# Altium PCB PCB_Kur (2).PcbDoc
Units mil, origin at the board's own origin, x right, y up, seen from the top; angles counter-clockwise.
Board outline 2362.2 x 1574.8 mil, 2 copper layers (Top Layer, Bottom Layer); 35 components, 22 nets, 155 pads, 34 vias.
Unrouted connection lines stored in the file: 34.
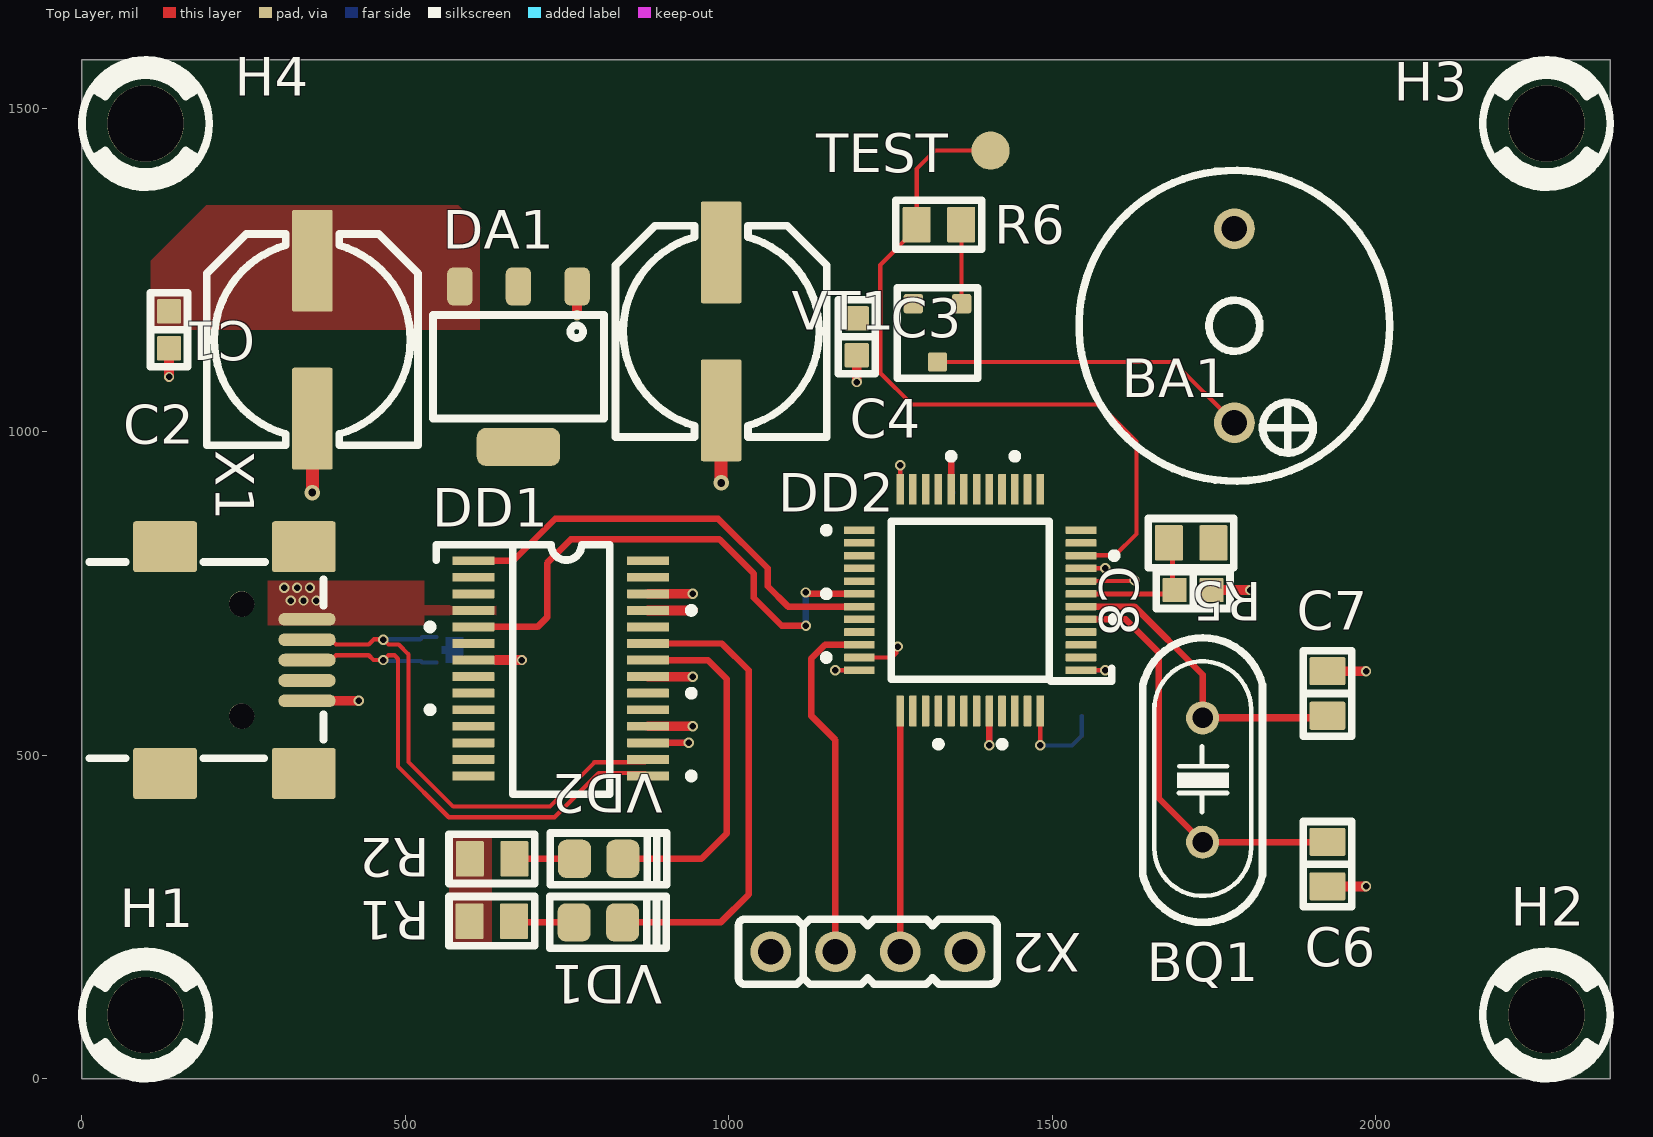
[diagram p0: Top Layer view]
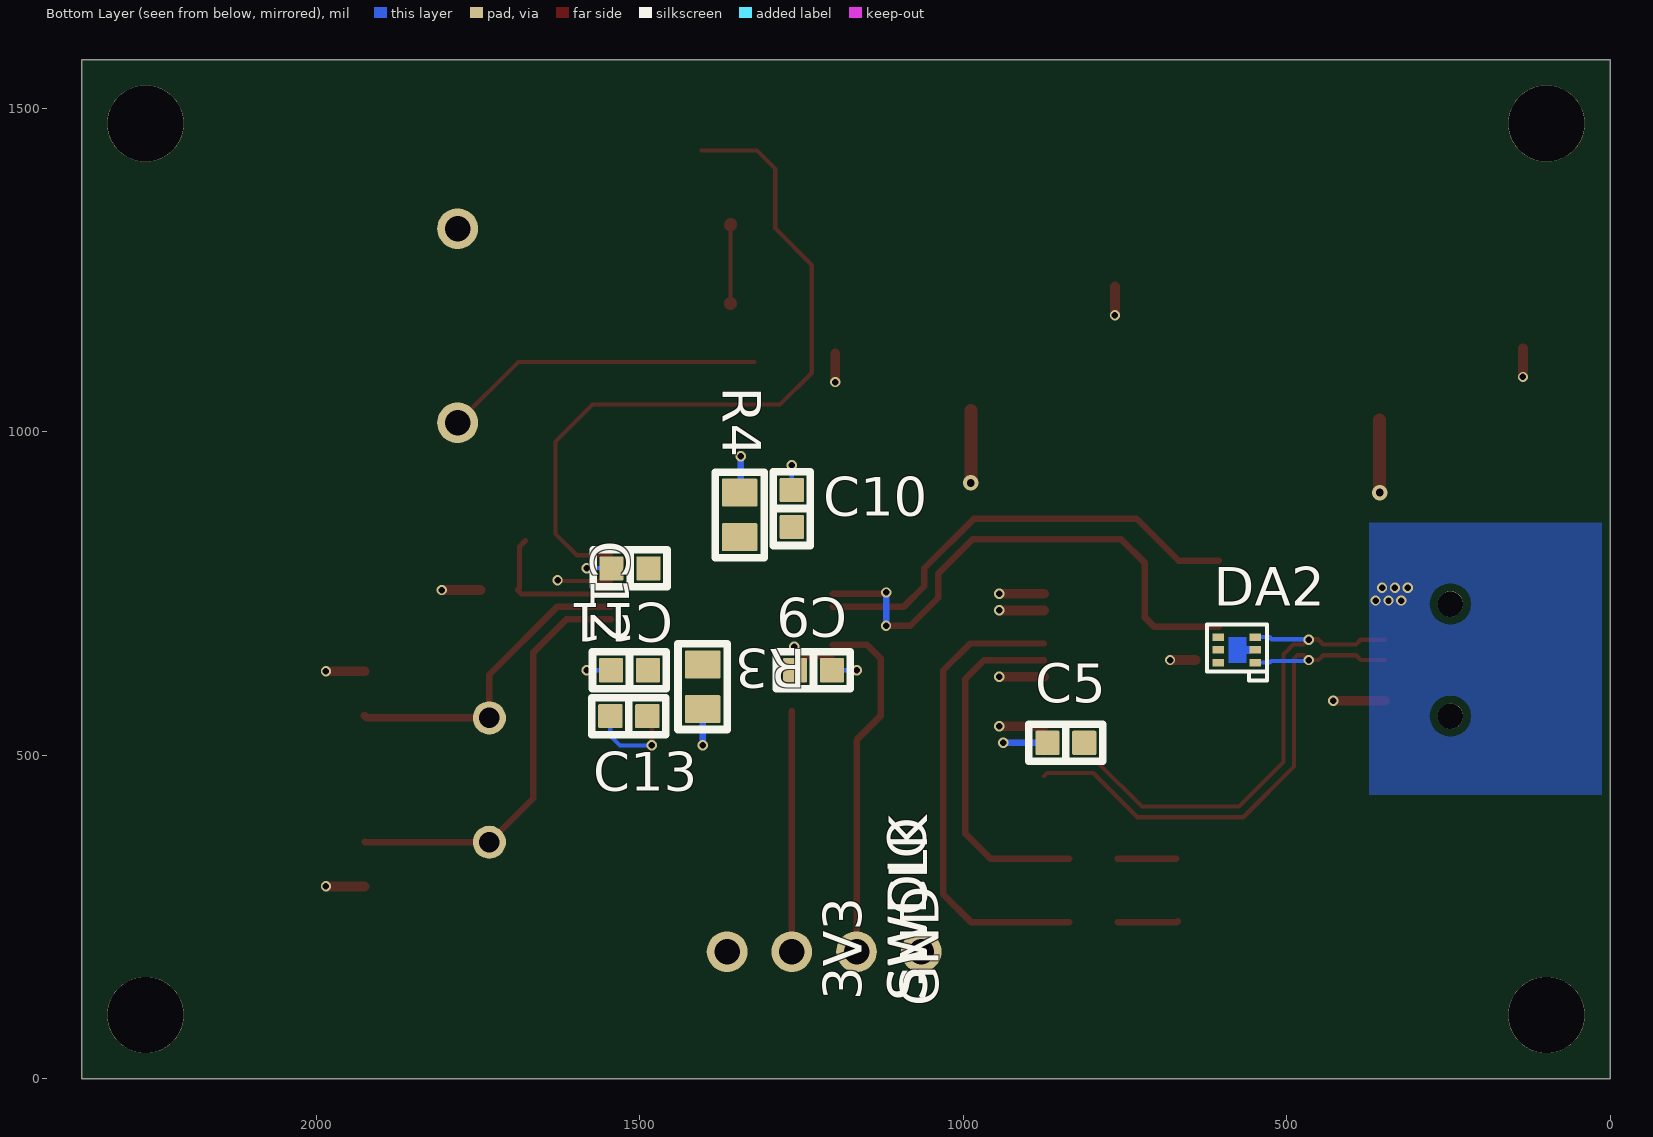
[diagram p1: Bottom Layer view, seen from below]
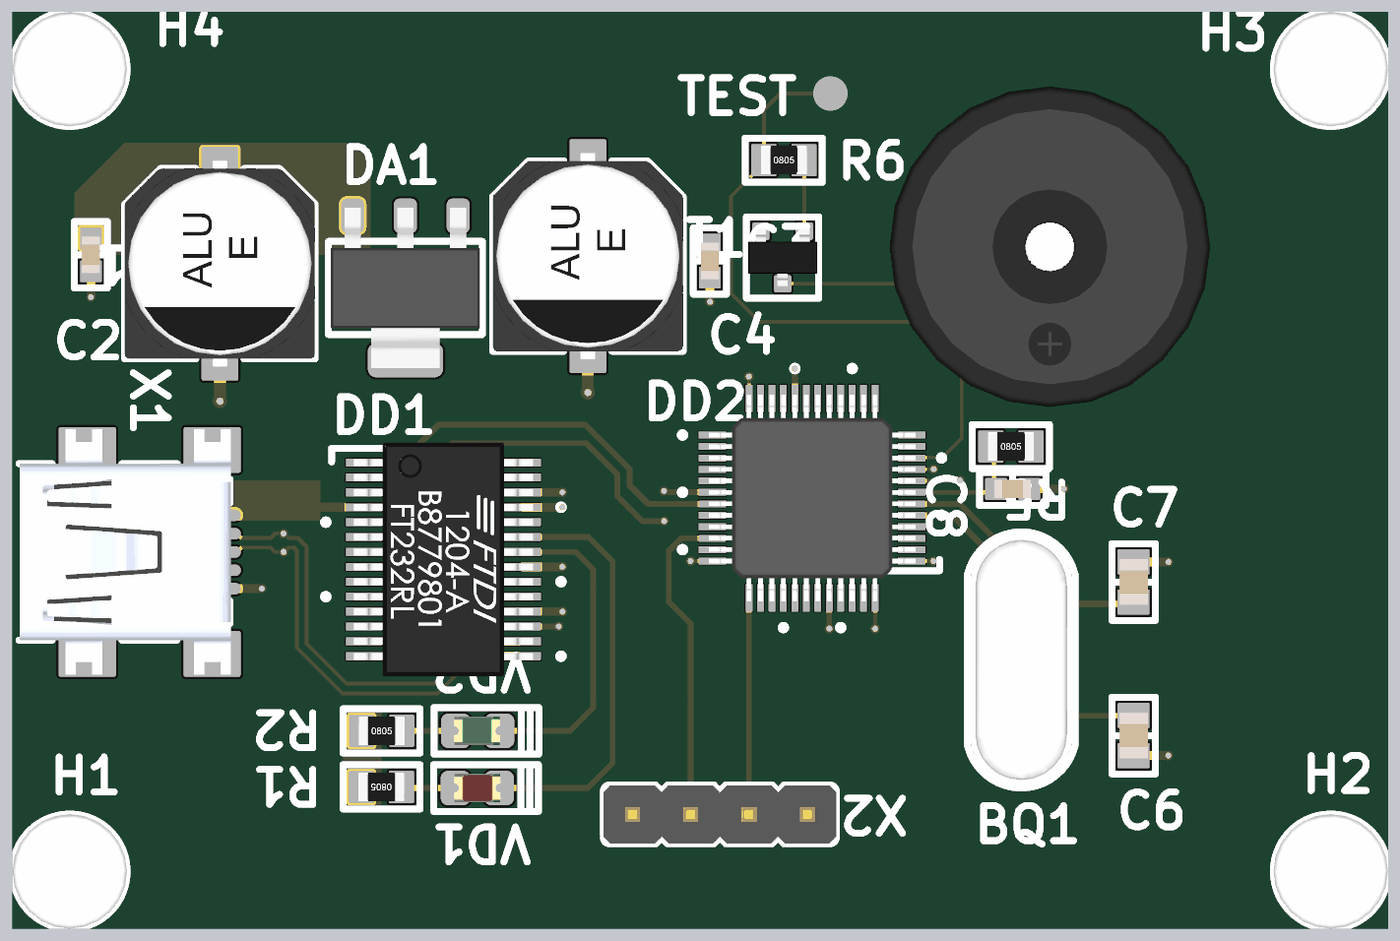
[diagram p2: 3D render of the assembled board from above, using the file's embedded part models]
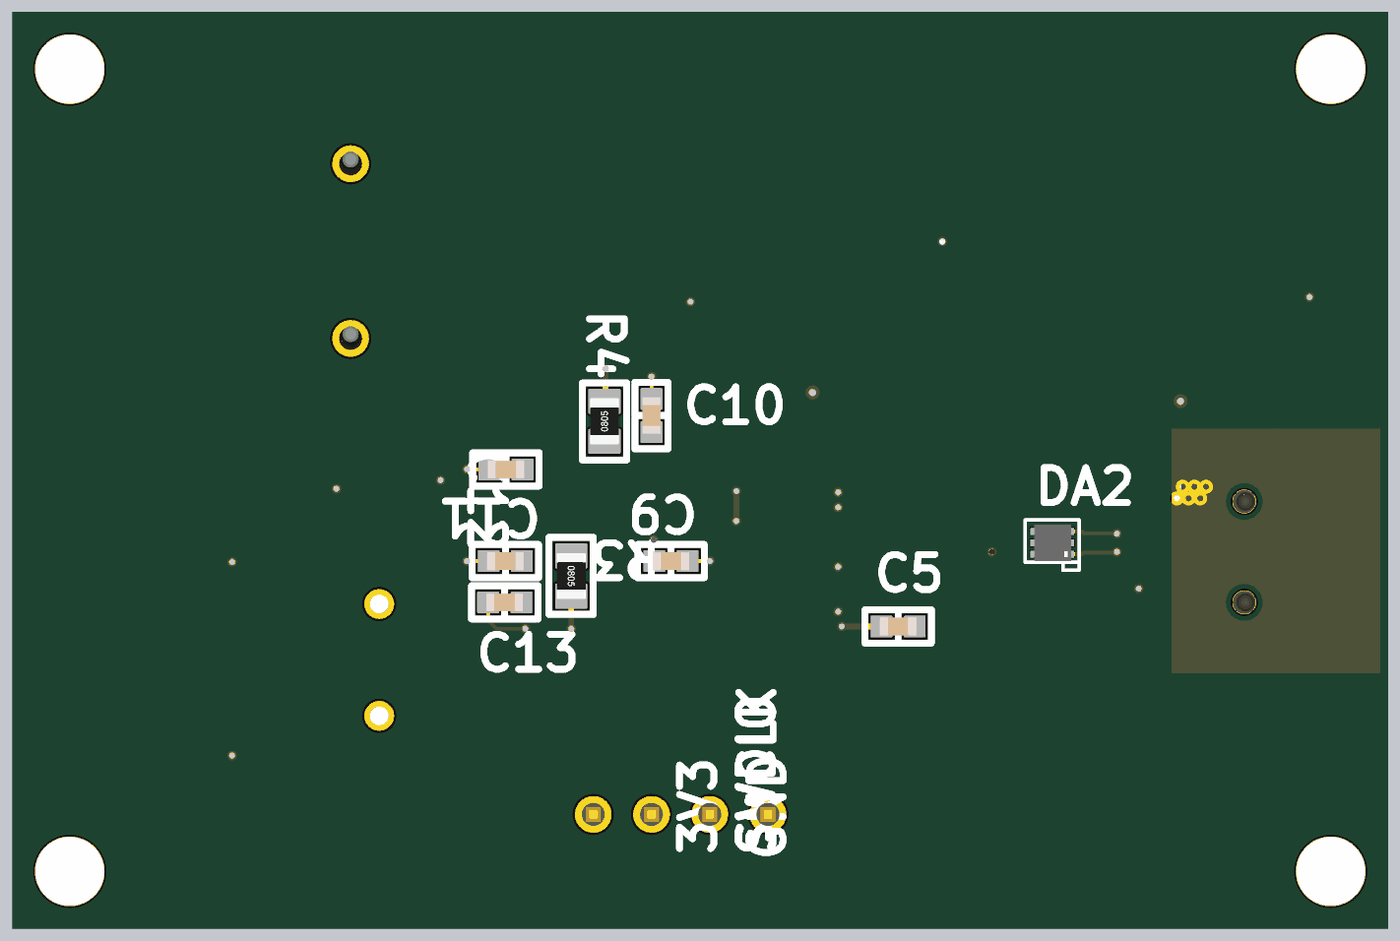
[diagram p3: 3D render of the assembled board from below, using the file's embedded part models]

## Layer stack, top to bottom
Top Solder: solder mask 0.4, Solder Resist, Dk 3.5
Top Layer: signal copper 1.4
Dielectric 1: dielectric 12.6, FR-4, Dk 4.8
Bottom Layer: signal copper 1.4
Bottom Solder: solder mask 0.4, Solder Resist, Dk 3.5

## Board outline
0,0 2362.2,0 2362.2,1574.8 0,1574.8

## Design rules (kind name [scope] priority, off if disabled: settings)
Clearance [All] p1: gap=11.81 ignorepadtopadclearanceinfootprint=FALSE except(0: Poly-Region; 3.94: Track-Track Track-SMDPad SMDPad-SMDPad SMDPad-Region THPad-Region; 5.91: Via-Via Via-Hole; 7.87: Arc-Via Track-Via Track-Poly Track-Region SMDPad-Via THPad-Via Poly-Hole)
DiffPairsRouting [All] p1: maxlimit=10 minlimit=10 mostfreqgap=10 toplayer_minwidth=6.5 toplayer_maxwidth=15 toplayer_prefwidth=15 bottomlayer_minwidth=6.5 bottomlayer_maxwidth=15 bottomlayer_prefwidth=15 maxuncoupledlength=500
HoleSize [All] p1: absolutevalues=TRUE maxlimit=118.11 minlimit=1 maxpercent=80.000 minpercent=20.000
MinimumSolderMaskSliver [All] p1: minsoldermaskwidth=1
PlaneConnect [All] p1: planeconnectstyle=Direct reliefexpansion=20 reliefentries=4 reliefconductorwidth=10 reliefairgap=10
PolygonConnect [All] p1: connectstyle=Direct reliefconductorwidth=10 reliefentries=4 polygonreliefangle="90 Angle" airgapwidth=10
RoutingVias [All] p1: holewidth=10 width=16 viastyle="Through Hole" minholewidth=10 minwidth=16 maxholewidth=12 maxwidth=24
SilkToSilkClearance [All] p1: silktosilkclearance=3.94
SilkToSolderMaskClearance [IsPad] p1: minsilkscreentomaskgap=2 clearancetoexposedcopper=TRUE
SolderMaskExpansion [All] p1: expansion=4 istentingtop=FALSE
Width [All] p1: maxlimit=20 minlimit=6.5 preferedwidth=10
24 further rules are at their usual default settings.

## Classes and differential pairs
component class Sch_Kur: BA1 BQ1 C1 C2 C3 C4 C5 C6 C7 C8 C9 C10 C11 C12 C13 DA1 DD1 H1 H2 H3 H4 R1 R2 R3 R4 R5 R6 TEST VD1 VD2 VT1 X1 X2
differential pair USB: +USB_P -USB_N

## Components (designator, comment, footprint, x,y, rotation, side; value= is the part's Value field where it differs from the comment)
BA1 "Buzzer-Active" "28# Buzzer MINI" 1781.46,1013.84 r90 top
BQ1 "8 MHz" CRYSTAL-HC49S 1732.38,461.61 r270 top
C1 "100nF-25V" "Cap Ceramic 0603 SMD" 134.74,1157.56 r90 top
C2 "220uF-10V" "CAP ALU CASE E SMD" 356.28,1142.24 r270 top
C3 "100nF-25V" "Cap Ceramic 0603 SMD" 1197.73,1146.73 r90 top
C4 "220uF-10V" "CAP ALU CASE E SMD" 988.21,1155.17 r270 top
C5 "100nF-25V" "Cap Ceramic 0603 SMD" 841.3,519.13 r0 bottom
C6 "22nF-50V" "Cap Ceramic 0805 SMD" 1925.29,331.69 r90 top
C7 "22nF-50V" "Cap Ceramic 0805 SMD" 1925.29,595.47 r270 top
C8 "100nF-25V" "Cap Ceramic 0603 SMD" 1717.6,755.35 r180 top
C9 "100nF-25V" "Cap Ceramic 0603 SMD" 1231.38,631.34 r180 bottom
C10 "100nF-25V" "Cap Ceramic 0603 SMD" 1264.84,881.34 r90 bottom
C11 "100nF-25V" "Cap Ceramic 0603 SMD" 1514.84,788.82 r0 bottom
C12 "100nF-25V" "Cap Ceramic 0603 SMD" 1515.83,631.34 r0 bottom
C13 "100nF-25V" "Cap Ceramic 0603 SMD" 1516.81,560.47 r0 bottom
DA1 "AMS1117" AMS1117-3.3V 674.86,1100.5 r270 top
DA2 "VBUS054B-HSF-GS08" LLP75 548.31,643.15 r0 bottom
DD1 "FT232RL" "SSOP 28" 605.08,698.27 r270 top
DD2 "STM32F103" stm32f103c8t6-48LQFP 1373.11,739.61 r90 top
H1 "Vit 3mm" "Screw 3 small" 98.43,98.43 r0 top (schematic designator hole1)
H2 "Vit 3mm" "Screw 3 small" 2263.78,98.43 r0 top locked (schematic designator hole2)
H3 "Vit 3mm" "Screw 3 small" 2263.78,1476.38 r0 top locked (schematic designator hole3)
H4 "Vit 3mm" "Screw 3 small" 98.43,1476.38 r0 top (schematic designator hole4)
R1 "270R" "Res 0805 SMD" 633.5,243.39 r180 top
R2 "270R" "Res 0805 SMD" 634.1,339.85 r0 top
R3 "4,7K-0,125W" "Res 0805 SMD" 1402.64,605.75 r270 bottom
R4 "4,7K-0,125W" "Res 0805 SMD" 1345.55,871.5 r90 bottom
R5 "4,7K-0,125W" "Res 0805 SMD" 1714.65,828.19 r0 top
R6 "22R" "Res 0805 SMD" 1324.77,1320.14 r0 top
TEST "TP1" TP1 1404.61,1434.49 r90 top (schematic designator TP1)
VD1 "Red" "Led 0805R" 798.31,241.57 r0 top
VD2 "Green" "Led 0805G" 798.86,339.85 r0 top
VT1 "S9012_PNP" SOT-23 1322.59,1121.32 r180 top
X1 "MiniUSB" USB_MNI_B 348.03,647.09 r270 top
X2 "Gate_4pins" Header_4 1214.84,196.3 r0 top

## Footprints (in the part's own frame and the unit in brackets; to place one, negate y for a bottom-side part, rotate by r counter-clockwise, add the part's x,y. Pads: shape width x height; smd on the part's side, far side on the other; paste and mask are expansions set on the pad)
"28# Buzzer MINI" [mm] "PB-12N23P-05Q"
  round 1.6 hole 1 mask+0.1: 1(0,0) 2(7.62,0)
  silkscreen extent -2.29,-6.1 9.91,6.1, body extent -3,-7 11,7, height 7.35
AMS1117-3.3V [mm] "SOT223, 4-Leads, Body 6.7x7.3mm (max), Pitch 2.30mm, IPC Medium Density"
  rrect50% 1.5x1 smd: 1(-3.15,2.3) 2(-3.15,0) 3(-3.15,-2.3)
  rrect50% 1.5x3.28 smd: 4(3.15,0)
  silkscreen extent -2.03,-3.35 2.03,3.35, body extent -3.5,-3.25 3.5,3.25, height 1.64
"CAP ALU CASE E SMD" [mm]
  rrect10% 4x1.6 smd mask+0.1: 1(-3.1,0) 2(3.1,0)
  silkscreen extent -4.15,-4.15 4.15,4.15, body extent -4.5,-4.15 4.5,4.15, height 6.2
"Cap Ceramic 0603 SMD" [mm] "Reflow Soldering"
  rrect10% 0.95x0.95 smd mask+0.1: 1(-0.725,0) 2(0.725,0)
  silkscreen extent -1.45,-0.72 1.45,0.73, body extent -0.8,-0.4 0.8,0.4, height 0.85
"Cap Ceramic 0805 SMD" [mm] "Reflow Soldering"
  rrect10% 1.1x1.4 smd mask+0.1: 1(-0.875,0) 2(0.875,0)
  silkscreen extent -1.68,-0.95 1.68,0.95, body extent -1,-0.63 1,0.62, height 0.65
CRYSTAL-HC49S [mm]
  round 1.3 hole 0.8 mask+0.1: 1(-2.44,0) 2(2.44,0)
  silkscreen extent -5.59,-2.35 5.59,2.35, body extent -5.49,-2.25 5.49,2.25, height 3.6
Header_4 [mm] "Connector DIP, 4Pin_2.54mm"
  round 1.6 hole 1 mask+0.1: 1(-3.81,0) 2(-1.27,0) 3(1.27,0) 4(3.81,0)
  silkscreen extent -5.08,-1.28 5.08,1.28, body extent -5.08,-1.27 5.08,1.27, height 10.1
"Led 0805G" [mm] "Chip LED; Green; Body 2.0 x 1.3 mm (LxW typ)"
  rrect50% 1.3x1.5 smd: 1(-0.95,0) 2(0.95,0)
  silkscreen extent -1.91,-1.02 2.67,1.02, body extent -1.04,-0.62 0.98,0.62, height 1.1
"Led 0805R" [mm] "Chip LED; RED ; Body 2.0 x 1.3 mm (LxW typ)"
  rrect50% 1.3x1.5 smd: 1(-0.95,0) 2(0.95,0)
  silkscreen extent -1.91,-1.02 2.67,1.02, body extent -1.01,-0.63 1.01,0.62, height 1.1
LLP75 [mm] "LLP75"
  rect 0.45x0.3 smd mask+0.05: 1(0,0) 2(0,-0.5) 3(0,-1) 4(1.45,0) 5(1.45,-0.5) 6(1.45,-1)
  Top Layer region: 0.2,-0.35 0.2,-0.65 0.35,-0.65 0.35,-1 1.05,-1 1.05,0 0.35,0 0.35,-0.35
  silkscreen extent -0.45,-1.5 1.9,0.7, body extent -0.11,-1.3 1.51,0.3, height 0.63
"Res 0805 SMD" [mm] "Reflow Soldering"
  rrect10% 1.1x1.4 smd mask+0.1: 1(-0.875,0) 2(0.875,0)
  silkscreen extent -1.69,-0.97 1.67,0.96, body extent -1,-0.62 1,0.63, height 0.62
"Screw 3 small" [mm] "Hole 3mm, outline 5mm"
  round 3 hole 3 mask+0.1: 1(0,0)
  silkscreen extent -2.5,-2.5 2.5,2.5, body extent -2.5,-2.5 2.5,2.5, height 1.73
SOT-23 [mm]
  rrect25% 0.76x0.76 smd mask+0.1: 1(-0.95,-1.945) 2(0.95,-1.945) 3(0,0.345)
  silkscreen extent -1.58,-2.58 1.58,0.97, body extent -1.5,-2.05 1.5,0.45, height 1.15
"SSOP 28" [mm] "TSSOP PW 28  PIN TO PIN 0.65"
  rrect10% 0.35x1.65 smd mask+0.05: 1(-2.6,0) 2(-1.95,0) 3(-1.3,0) 4(-0.65,0) 5(0,0) 6(0.65,0) 7(1.3,0) 8(1.95,0) 9(2.6,0) 10(3.25,0) 11(3.9,0) 12(4.55,0) 13(5.2,0) 14(5.85,0) 15(5.85,6.858) 16(5.2,6.858) 17(4.55,6.858) 18(3.9,6.858) 19(3.25,6.858) 20(2.6,6.858) 21(1.95,6.858) 22(1.3,6.858) 23(0.65,6.858) 24(0,6.858) 25(-0.65,6.858) 26(-1.3,6.858) 27(-1.95,6.858) 28(-2.6,6.858)
  silkscreen extent -3.23,-1.8 6.58,8.66, body extent -3.47,-0.48 6.73,7.33, height 2
stm32f103c8t6-48LQFP [mm] "LQFP-48"
  rrect10% 0.3x1.2 smd mask+0.05: 1(-2.75,-4.35) 2(-2.25,-4.35) 3(-1.75,-4.35) 4(-1.25,-4.35) 5(-0.75,-4.35) 6(-0.25,-4.35) 7(0.25,-4.35) 8(0.75,-4.35) 9(1.25,-4.35) 10(1.75,-4.35) 11(2.25,-4.35) 12(2.75,-4.35) 25(2.75,4.35) 26(2.25,4.35) 27(1.75,4.35) 28(1.25,4.35) 29(0.75,4.35) 30(0.25,4.35) 31(-0.25,4.35) 32(-0.75,4.35) 33(-1.25,4.35) 34(-1.75,4.35) 35(-2.25,4.35) 36(-2.75,4.35)
  rrect10% 1.2x0.3 smd mask+0.05: 13(4.35,-2.75) 14(4.35,-2.25) 15(4.35,-1.75) 16(4.35,-1.25) 17(4.35,-0.75) 18(4.35,-0.25) 19(4.35,0.25) 20(4.35,0.75) 21(4.35,1.25) 22(4.35,1.75) 23(4.35,2.25) 24(4.35,2.75) 37(-4.35,2.75) 38(-4.35,2.25) 39(-4.35,1.75) 40(-4.35,1.25) 41(-4.35,0.75) 42(-4.35,0.25) 43(-4.35,-0.25) 44(-4.35,-0.75) 45(-4.35,-1.25) 46(-4.35,-1.75) 47(-4.35,-2.25) 48(-4.35,-2.75)
  silkscreen extent -5.75,-5.75 5.75,5.75, body extent -4.51,-4.51 4.51,4.51, height 1.56
TP1 [mm]
  round 1.5 smd mask+0: 1(0,0)
USB_MNI_B [mm] "USB_MINI_B 9.2mmX7.75mm"
  oval 0.5x2.25 smd: 1(-1.6,0) 2(-0.8,0) 3(0,0) 4(0.8,0) 5(1.6,0)
  rrect10% 2x2.5 smd: 6(-4.45,-0.125) 7(4.45,-0.125) 8(-4.45,-5.575) 9(4.45,-5.575)
  round 1 hole 1 mask+0.1: HOLE1(-2.2,-2.57) HOLE2(2.2,-2.57)
  silkscreen extent -3.85,-8.55 3.85,0.64, body extent -5.35,-8.52 5.35,0.68, height 3.95

## Part data
BA1: library part Buzzer
BQ1: library part "Quartz resonator_8MHz"
C1 C3 C5 C8 C9 C10 C11 C12 C13: library part Cap_100nF
C2 C4: library part ECAP_220uF
C6 C7: library part Cap_22nF
DA1: library part AMS1117-3.3
DD2: library part STM32F103C8T6
R1 R2: library part Res_270
R3 R4 R5: library part Res_4K7
R6: library part Res_22R
TEST: library part Test_point
VD1: library part LED_red
VD2: library part LED_green
VT1: library part Trans_S9012_PNP
X1: library part Mini_USB

## Via types
v1: diameter 16, hole 10, Top Layer to Bottom Layer, 32 vias
v2: diameter 24, hole 12, Top Layer to Bottom Layer, 2 vias

## Nets (pads, with @x,y where several pads share a name; then routed paths per layer and width w, separated by ;. In a path a pad name is that pad's centre, name@x,y a point inside that pad or via, vN(x,y) a via of type N, cw(c..) or ccw(c..) an arc to the next point about the centre after c; other vN are vias at no path point)
+3V3: C3.2 C4.1 C9.2 C10.2 C11.2 C12.2 C13.2 DA1.2 DD2.1 DD2.9 DD2.24 DD2.36 DD2.48 R5.2 X2.1 | length 456.2
  Top Layer w6.5: v1(1164.45,631.34) DD2.36 ; DD2.24 v1(1264.84,948.27) ; v1(1481.38,515.2) DD2.48 ; DD2.1 v1(1581.77,631.34) ; DD2.9 1544.56,789.01 1581.58,789.01 v1(1581.77,789.19)
  Bottom Layer w6.5: v1(1164.45,631.34) C9.2 ; C10.2 v1(1264.84,948.27) ; v1(1481.38,515.2) 1530.59,515.2 1545.35,529.96 C13.2 ; C11.2 1543.76,789.19 v1(1581.77,789.19) ; C12.2 v1(1581.77,631.34)
+5V: C1.2 C2.1 DA1.3 DA2.5 DD1.4 DD1.20 R1.2 R2.1 VT1.2 X1.1
  other v1: 322.6,739.06 342.6,739.06 362.6,739.06 312.6,759.06 332.6,759.06 352.6,759.06
GND: BA1.2 C1.1 C2.2 C3.1 C4.2 C5.1 C6.1 C7.1 C8.1 C9.1 C10.1 C11.1 C12.1 C13.1 DA1.1 DA2.2 DD1.7 DD1.18 DD1.21 DD1.25 DD1.26 DD2.8 DD2.23 DD2.35 DD2.47 R3.1 R4.1 X1.5 X2.4 | length 1087.1
  Top Layer w6.5: DD2.35 1252.09,651.02 1259.18,658.12 1259.18,666.18 v1(1261,668) ; DD2.8 1625.94,769.13 v1(1627,770.2)
  Top Layer w15: v1(134.74,1084.72) C1.1 ; X1.5 v1(428.23,584.09) ; 640.51,647.09 v1(680.2,647.09) ; v1(765.41,1180.22) DA1.1 ; DD1.18 v1(944.36,544.72) ; DD1.21 v1(944.36,621.5) ; DD1.25 v1(944.36,723.86) ; DD1.26 v1(944.36,749.45) ; v1(1197.73,1076.85) C3.1@1197.73,1121.14 ; C8.1 v1(1805.77,755.35) ; C6.1 v1(1984.92,297.24) ; C7.1 v1(1984.92,629.92)
  Top Layer w20: v2(356.28,906.02) C2.2@356.28,1018.23 ; v2(988.21,920.92) C4.2
NetBA1_1: BA1.1 VT1.3 | length 497.8
  Top Layer w6.5: VT1.3 1687.57,1107.74 BA1.1
NetBQ1_1: BQ1.1 C7.2 DD2.6 | length 492.7
  Top Layer w10: DD2.6 1627.05,729.76 1732.38,624.43 BQ1.1
  Top Layer w11.81: BQ1.1 1921.94,557.68 C7.2
NetBQ1_2: BQ1.2 C6.2 DD2.5 | length 655.9
  Top Layer w10: DD2.5 1613.27,710.08 1664.45,658.9 1664.45,433.48 BQ1.2 1924.7,365.55 C6.2
NetC5_2: C5.2 DD1.17 | length 131.2
  Top Layer w10: DD1.17 v1(938.07,519.13)
  Bottom Layer w10: C5.2 v1(938.07,519.13)
NetC8_2: C8.2 DD2.7 R5.1 | length 228.3
  Top Layer w7.87: DD2.7 1683.15,749.45 C8.2 1685.95,758.45 1685.95,822.43 R5.1 R5.1@1676.9,831.49
NetDD1_1: DD1.1 DD2.31 | length 696.1
  Top Layer w10: DD1.1 666.63,800.63 731.59,865.59 983.35,865.59 1060.12,788.82 1060.12,761.26 1091.61,729.76 DD2.31
NetDD1_5: DD1.5 DD2.30 | length 832
  Top Layer w10: DD1.5 704.27,698.27 719,713 719,797 755.89,833.89 985.52,833.89 1038.62,780.79 1038.62,743.39 1081.77,700.24 v1(1119.17,700.24) ; v1(1118.9,751.57) 1120.53,751.57 1122.65,749.45 DD2.30
  Bottom Layer w10: v1(1118.9,751.57) 1119.04,751.44 1119.04,700.37 v1(1119.17,700.24)
NetDD1_22: DD1.22 VD2.2 | length 549.7
  Top Layer w10: VD2.2 957.61,339.85 997.13,379.37 997.13,617.56 967.6,647.09 DD1.22
NetDD1_23: DD1.23 VD1.2 | length 731.9
  Top Layer w10: VD1.2 987.28,241.57 1030.59,284.88 1030.59,631.34 989.25,672.68 DD1.23
NetDD2_20: DD2.20 R4.2 | length 108.1
  Top Layer w10: DD2.20 v1(1343.58,962.05)
  Bottom Layer w10: v1(1343.58,962.05) 1343.58,907.91 R4.2
NetDD2_34: DD2.34 X2.2 | length 552.2
  Top Layer w10: X2.2 1164.84,523.46 1127.05,561.26 1127.05,649.06 1148.7,670.71 DD2.34
NetDD2_37: DD2.37 X2.3 | length 372
  Top Layer w10: X2.3 DD2.37
NetDD2_44: DD2.44 R3.2 | length 103.3
  Top Layer w10: v1(1402.64,515.2) DD2.44
  Bottom Layer w10: v1@1402.64,521.1 R3.2
NetR1_1: R1.1 VD1.1 | length 93.7
  Top Layer w10: R1.1 669.76,241.57 VD1.1
NetR2_2: R2.2 VD2.1 | length 90.6
  Top Layer w10: R2.2@670.9,339.85 VD2.1
NetR6_2: R6.2 VT1.1 | length 122.6
  Top Layer w6.5: VT1.1@1359.61,1198.28 R6.2@1359.61,1319.75
  Top Layer w20: R6.2 R6.2@1359.61,1319.75 ; VT1.1@1359.61,1198.28 VT1.1
OUT: DD2.10 R6.1 TEST.1 | length 1147
  Top Layer w6.5: TEST.1 1318.49,1434.49 1290.32,1406.32 R6.1 1290.32,1314.24 1234,1257.91 1234,1091 1283,1042 1573,1042 1630,985 1630,842 1597.26,809.26 1545.12,809.26 DD2.10
USB_N: DA2.3 DD1.16 X1.2 | length 852.6
  Top Layer w6.5: X1.2 385.38,678.58 392.88,671.08 443.42,671.08 451.6,679.26 464.95,679.26 v1(465.63,678.58) 466.56,678.58 474.06,671.08 489.89,671.08 505,655.97 505,489.61 573.9,420.71 723.79,420.71 792.08,489 870.53,489 DD1.16
  Bottom Layer w6.5: v1(465.63,678.58) 466.31,679.26 523.02,679.26 526.28,682.52 DA2.3
USB_P: DA2.1 DD1.15 X1.3 | length 852
  Top Layer w6.5: X1.3 385.38,647.09 392.88,654.58 443.42,654.58 450.92,647.09 v1(465.63,647.09) 466.56,647.09 474.06,654.58 483.06,654.58 488.5,649.14 488.5,482.77 567.06,404.21 730.63,404.21 798.92,472.5 870.53,472.5 DD1.15
  Bottom Layer w6.5: v1(465.63,647.09) 467.02,645.69 523.74,645.69 526.28,643.15 DA2.1
pads on no net: DA1.4 DA2.4 DA2.6 DD1.2 DD1.3 DD1.6 DD1.8 DD1.9 DD1.10 DD1.11 DD1.12 DD1.13 DD1.14 DD1.19 DD1.24 DD1.27 DD1.28 DD2.2 DD2.3 DD2.4 DD2.11 DD2.12 DD2.13 DD2.14 DD2.15 DD2.16 DD2.17 DD2.18 DD2.19 DD2.21 DD2.22 DD2.25 DD2.26 DD2.27 DD2.28 DD2.29 DD2.32 DD2.33 DD2.38 DD2.39 DD2.40 DD2.41 DD2.42 DD2.43 DD2.45 DD2.46 H1.1 H2.1 H3.1 H4.1 X1.4 X1.6 X1.7 X1.8 X1.9 X1.HOLE1 X1.HOLE2

## Polygon pours and split planes (outlines as drawn)
+5V on Top Layer "gnd" (solid, pour order 4): 640.51,716 529,716 529,701 287,701 287,770 529,770 529,732 640.51,732
+5V on Top Layer "gnd" (solid, pour order 6): 633.8,377.65 633.8,205.59 567.56,205.59 567.56,377.64
+5V on Top Layer "gnd" (solid, pour order 5): 106.2,1157.56 106.2,1264.2 192,1350 582,1350 617,1315 615,1313 615,1157.56
+5V on Bottom Layer "gnd" (solid, pour order 7): 13,859 372,859 372,439 13,439

## Silkscreen, mask and mechanical layers (free items; w line width, h text height)
Top Overlay:
  text "b" at 1387.8,2051.18 h157.48
  text "Bauman Moscow State Technical University" at 3322.83,1751.97 h59.06 r270
  text "a" at 3028.62,1623.34 h236.22 r270
  text "1830" at 3069.17,1575.73 h19.68 r270
  text "NGO VAN KHOA /  / IU4 - 2021" at 3079.8,1370.15 h86.61 r270
  text "c" at 2716.54,905.51 h98.43
Bottom Overlay:
  text "SWDIO" at 1056.98,121.5 h59.06 r270
  text "3V3" at 1156.98,121.5 h59.06 r270
  text "SWCLK" at 1055.4,119.53 h59.06 r270
  text "GND" at 1038.08,111.65 h59.06 r270
Dimensions:
  text "Units: millimeters" at 2941.1,2566.93 h80
  text "Scale: 1:1" at 2941.1,2374.02 h80

## Text inside footprints (layer, text, board x,y; h text height)
BA1: Mechanical 2 "2" at 1805.09,1302.03 h47.24 r90; Mechanical 2 "1" at 1801.15,1005.97 h47.24 r90
DA1: Mechanical 2 "3" at 600.45,1162.51 h47.24 r180; Mechanical 2 "2" at 687.26,1162.51 h47.24 r180; Mechanical 2 "1" at 774.07,1162.51 h47.24 r180
DA2: Mechanical 2 "1" at 531.77,651.81 h19.68 r180
DD1: Mechanical 2 "14" at 656.26,503.39 h31.5 r270; Mechanical 2 "15" at 790.12,503.39 h31.5 r270; Mechanical 2 "28" at 790.12,808.5 h31.5 r270
DD2: Mechanical 2 "48" at 1471.54,633.31 h31.5 r180; Mechanical 2 "37" at 1314.06,637.24 h31.5 r180; Mechanical 2 "36" at 1270.75,625.43 h31.5 r90; Mechanical 2 "12" at 1506.97,790.79 h31.5 r90; Mechanical 2 "13" at 1487.28,873.46 h31.5 r180; Mechanical 2 "24" at 1314.06,873.46 h31.5 r180; Mechanical 2 "25" at 1270.75,786.85 h31.5 r90
X1: Mechanical 2 "1" at 248.03,717.09 h47.24 r270; Mechanical 2 "5" at 248.03,597.09 h47.24 r270
X2: Mechanical 2 "1" at 1073.11,219.92 h47.24 r180; Mechanical 2 "4" at 1388.07,219.92 h47.24 r180